# Altium PCB Cymometer.PcbDoc (part 2 of 2)
Units mil, origin at the board's own origin, x right, y up, seen from the top; angles counter-clockwise.
Board outline 6000 x 6000 mil, 2 copper layers (Top Layer, Bottom Layer); 96 components, 158 nets, 564 pads, 531 vias.
Unrouted connection lines stored in the file: 3.
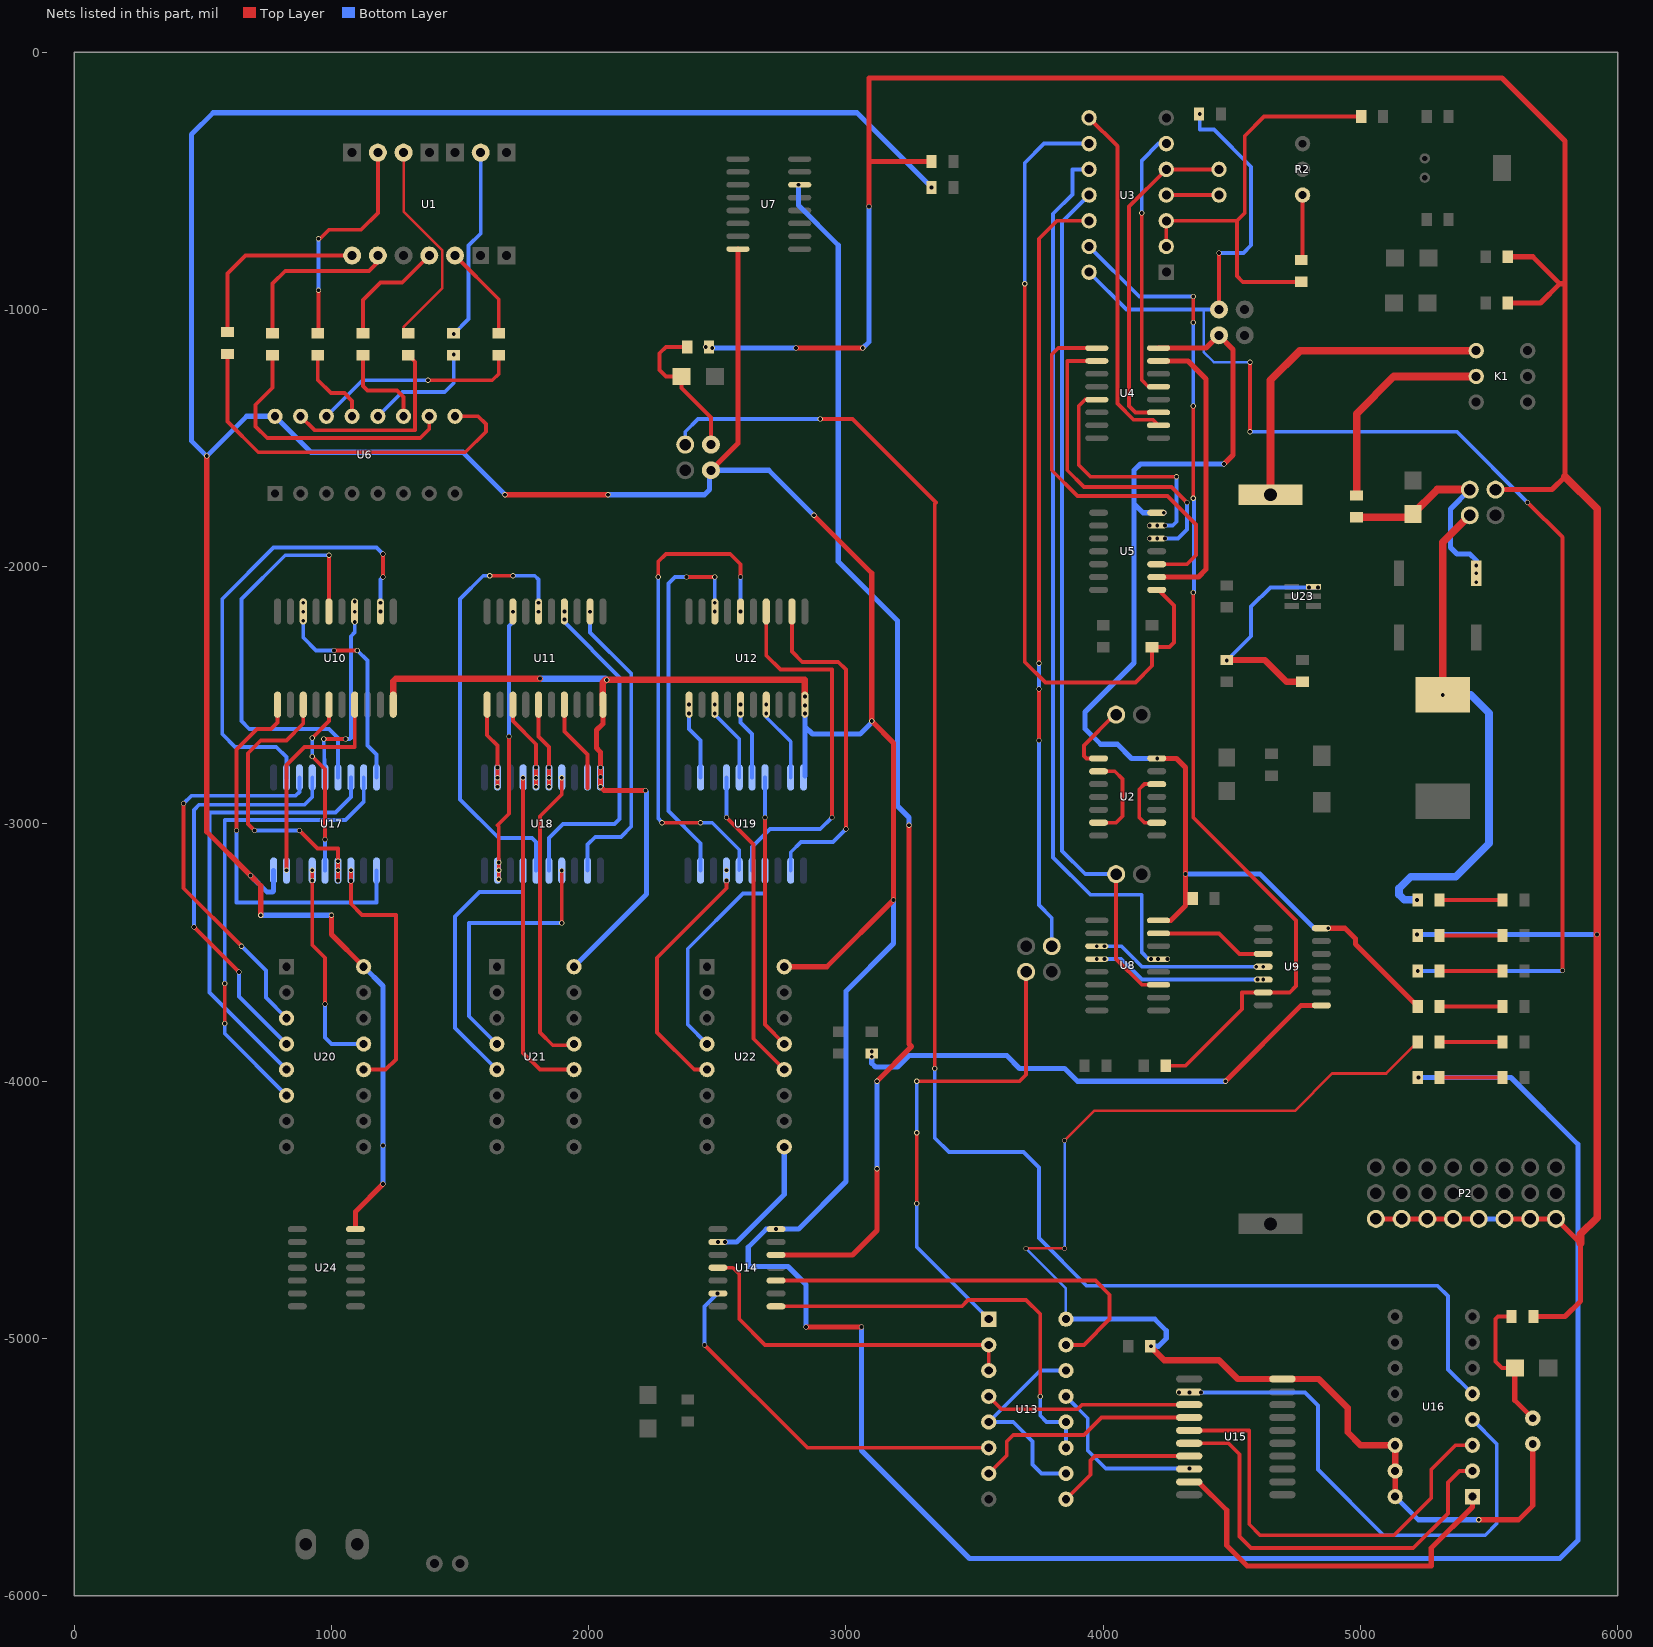
[diagram p2: the nets of this part, all layers, seen from the top]

## Via types
v1: diameter 20, hole 15, Top Layer to Bottom Layer, 529 vias
v2: diameter 137.8, hole 118.11, Top Layer to Bottom Layer, 2 vias

## Nets (pads, with @x,y where several pads share a name; then routed paths per layer and width w, separated by ;. In a path a pad name is that pad's centre, name@x,y a point inside that pad or via, vN(x,y) a via of type N, cw(c..) or ccw(c..) an arc to the next point about the centre after c; other vN are vias at no path point) (continued)
NetD6_K: D6.K P10.1 T5.2 | length 541
  Top Layer w15: T5.2@5587.5,-4915 5535,-4915 5525,-4925 5525,-5090 5550,-5115 D6.K@5600,-5115
  Top Layer w20: D6.K@5600,-5115 5600,-5240 P10.1@5670,-5310
NetD7_K: D7.K P11.1 T6.1 | length 590.8
  Top Layer w15: T6.1@2382.5,-1145 2300,-1145 2275,-1170 2275,-1235 2300,-1260 D7.K@2360,-1260 2360,-1305 2475,-1420 P11.1@2475,-1525
NetD9_A: 5VPOW.A R12.1 | length 245
  Top Layer w15: R12.1@5307.5,-3433 5VPOW.A@5552.5,-3433
NetD10_A: R13.1 VDD1.A | length 245
  Top Layer w15: R13.1@5307.5,-3571 VDD1.A@5552.5,-3571
NetD11_A: R15.1 VDD2.A | length 245
  Top Layer w15: R15.1@5307.5,-3709 VDD2.A@5552.5,-3709
NetD12_A: R19.1 VDD3.A | length 245
  Top Layer w15: R19.1@5307.5,-3847 VDD3.A@5552.5,-3847
NetD13_A: R20.1 VDD4.A | length 245
  Top Layer w15: R20.1@5307.5,-3985 VDD4.A@5552.5,-3985
NetD14_K: 3.3POW.A R21.1 | length 245
  Top Layer w15: R21.1@5307.5,-3295 3.3POW.A@5552.5,-3295
NetK1_1: K1.1 V1.1 | length 1292.6
  Top Layer w30: V1.1@4650,-1720 4650,-1275 4765,-1160 K1.1@5450,-1160
NetK1_2: K1.2 T1.1 | length 843.1
  Top Layer w30: T1.1@4985,-1723 4985,-1405 5130,-1260 K1.2@5450,-1260
NetL1_1: 3.7V.2 L1.1 R21.2 | length 1982.3
  Top Layer w30: v1(5320,-2498.31) 5320,-1905 3.7V.2@5425,-1800
  Bottom Layer w30: v1(5220,-3295) 5170,-3295 5150,-3275 5150,-3250 5195,-3205 5370,-3205 5500,-3075 5500,-2570 5428.31,-2498.31 v1(5320,-2498.31)
NetP1_1: P1.1 U3.5 U4.11 | length 1310.4
  Top Layer w15: U4.11@4215,-1400 4125,-1400 4100,-1375 4100,-600 U3.5@4245,-455 P1.1@4450,-455
NetP1_2: P1.2 U3.4 | length 205
  Top Layer w15: U3.4@4245,-555 P1.2@4450,-555
NetP3_1: P3.1 U2.1 | length 270.8
  Top Layer w15: U2.1@3982,-2745 3935,-2745 3925,-2735 3925,-2695 P3.1@4045,-2575
NetP4_1: 25HZ.1 U3.11 U8.11 | length 3377.2
  Top Layer w15: 25HZ.1@4050,-3195 4050,-3525 4150,-3625 U8.11@4215,-3625
  Bottom Layer w15: U3.11@3945,-555 3840,-660 3840,-3105 3930,-3195 25HZ.1@4050,-3195
NetP6_2: P6.2 U3.12 | length 3003.8
  Top Layer w15: v1(3750,-2675) v1(3750,-2475) ; v1(3750,-2375) 3750,-725 3820,-655 U3.12@3945,-655
  Bottom Layer w15: v1(3750,-2675) 3750,-3315 3800,-3365 3800,-3470 P6.2@3790,-3480 ; v1(3750,-2475) v1(3750,-2375)
NetP13_1: P13.1 U13.1 U13.5 U13.10 U13.14 | length 2694.7
  Top Layer w15: v1(3275,-4475) v1(3275,-4200) ; v1(3275,-4000) 3675,-4000 3700,-3975 P13.1@3700,-3575
  Bottom Layer w15: v1(3275,-4475) 3275,-4645 U13.1@3555,-4925 ; v1(3275,-4200) v1(3275,-4000) ; U13.10@3855,-5525 3760,-5525 3725,-5490 3725,-5400 3650,-5325 U13.5@3555,-5325 3755,-5125 U13.14@3855,-5125
NetP14_1: P14.1 U16.5 | length 6482.6
  Top Layer w15: v1(2900,-1425) 3025,-1425 3350,-1750 3345,-1755 v1(3345,-3950)
  Bottom Layer w15: P14.1@2375,-1525 2375,-1475 2425,-1425 v1(2900,-1425) ; v1(3345,-3950) 3345,-4220 3400,-4275 3690,-4275 3750,-4335 3750,-4610 3935,-4795 5300,-4795 5340,-4835 5340,-5120 U16.5@5435,-5215
NetR1_1: R1.1 R2.2 | length 254.6
  Top Layer w15: R1.1@4770,-807.5 4775,-802.5 R2.2@4775,-555
NetR1_2: R1.2 R4.2 U3.2 U3.3 | length 1675.3
  Top Layer w15: U3.2@4245,-755 U3.3@4245,-655 4520,-655 ; R1.2@4770,-892.5 4542.5,-892.5 4520,-870 4520,-655 ; R4.2@5002.5,-250 4625,-250 4550,-325 4550,-625 4520,-655
NetR3_2: R3.2 U3.9 U5.8 | length 3177.7
  Top Layer w15: v1(3695,-900) 3695,-2370 3775,-2450 4125,-2450 4190,-2385 R3.2@4190,-2312.5 4257.5,-2312.5 4275,-2295 4275,-2150 4215,-2090 U5.8@4208,-2090
  Bottom Layer w15: v1(3695,-900) 3695,-430 3770,-355 U3.9@3945,-355
NetR5_1: R5.1 U6.13 | length 323
  Top Layer w15: R5.1@946.67,-1177.5 946.67,-1273.33 998.33,-1325 1050,-1325 1080,-1355 U6.13@1080,-1415
NetR5_2: R5.2 U1.13 | length 875.3
  Top Layer w15: R5.2@946.67,-1092.5 950,-1089.17 v1(950,-925) ; v1(950,-725) 955,-725 990,-690 1115,-690 1180,-625 U1.13@1180,-390
  Bottom Layer w15: v1(950,-925) v1(950,-725)
NetR6_1: R6.1 U6.12 | length 458.8
  Bottom Layer w15: U6.12@1180,-1415 1275,-1320 1440,-1320 1475,-1285 v1(1475,-1175)
NetR6_2: R6.2 U1.9 | length 748.5
  Bottom Layer w15: v1(1475,-1095) 1533,-1037 1533,-751.49 1580,-704.49 U1.9@1580,-390
NetR7_1: R7.1 U6.11 | length 370.1
  Top Layer w15: R7.1@1122.5,-1177.5 1122.5,-1297.5 1140,-1315 1255,-1315 1280,-1340 U6.11@1280,-1415
NetR7_2: R7.2 U1.4 | length 459
  Top Layer w15: R7.2@1122.5,-1092.5 1122.5,-962.5 1190,-895 1275,-895 U1.4@1380,-790
NetR8_1: R8.1 U6.10 | length 1062.9
  Top Layer w15: R8.1@770.83,-1177.5 770.83,-1304.17 705,-1370 705,-1455 750,-1500 1345,-1500 1380,-1465 U6.10@1380,-1415
NetR8_2: R8.2 U1.2 | length 662.4
  Top Layer w15: R8.2@770.83,-1092.5 770.83,-899.17 820,-850 1145,-850 1180,-815 U1.2@1180,-790
NetR9_1: R9.1 U6.9 | length 1512.8
  Top Layer w15: R9.1@595,-1172.5 595,-1435 715,-1555 1520,-1555 1600,-1475 1600,-1445 1570,-1415 U6.9@1480,-1415
NetR9_2: R9.2 U1.1 | length 741.5
  Top Layer w15: R9.2@595,-1087.5 595,-860 665,-790 U1.1@1080,-790
NetR10_1: R10.1 U6.15 | length 768.6
  Top Layer w15: U6.15@880,-1415 934.03,-1469.03 1324.03,-1469.03 1324.03,-1203.19 R10.1@1298.33,-1177.5
NetR10_2: R10.2 U1.12 | length 834.4
  Top Layer w10: U1.12@1280,-390 1280,-619.29 1430,-769.29 1430,-917.5 1280,-1067.5 1280,-1074.17 R10.2@1298.33,-1092.5
NetR11_1: R11.1 U6.14 | length 810.8
  Top Layer w15: v1(1375,-1275) 1625,-1275 1650,-1250 R11.1@1650,-1177.5
  Bottom Layer w15: U6.14@980,-1415 1120,-1275 v1(1375,-1275)
NetR11_2: R11.2 U1.5 | length 372.9
  Top Layer w15: U1.5@1480,-790 1650,-960 R11.2@1650,-1092.5
NetR14_2: R14.2 U3.13 U9.6 | length 4007.7
  Top Layer w15: R14.2@4242.5,-3940 4320.28,-3940 4540,-3720.28 4540,-3655 U9.6@4622,-3655 4725,-3655 4750,-3630 4750,-3375 4350,-2975 v1(4350,-2100) ; v1(4350,-1733.61) v1(4350,-1375) ; v1(4350,-1050) v1(4350,-950)
  Bottom Layer w15: U3.13@3945,-755 4140,-950 v1(4350,-950) ; v1(4350,-2100) 4352.5,-2097.5 4352.5,-1736.11 v1(4350,-1733.61) ; v1(4350,-1375) v1(4350,-1050)
NetR16_2: R16.2 R17.1 U23.6 | length 875.6
  Top Layer w25: R16.2@4480,-2362.5 4627.5,-2362.5 4712.5,-2447.5 R17.1@4775,-2447.5
  Bottom Layer w15: v1(4480,-2365) 4575,-2270 4575,-2155 4650,-2080 v1@4840,-2080
  other v1: 4800,-2080 4835,-2080
NetR18_1: R18.1 U9.8 | length 1981.5
  Top Layer w20: v1(4475,-4000) 4770,-3705 U9.8@4848,-3705
  Bottom Layer w20: v1(3100,-3885) 3100,-3930 3115,-3945 3200,-3945 3245,-3900 3625,-3900 3675,-3950 3850,-3950 3900,-4000 v1(4475,-4000)
  other v1: 3100,-3905
NetU2_2: U2.2 U2.6 | length 353.8
  Top Layer w15: U2.6@3982,-2995 4050,-2995 4075,-2970 4075,-2825 4045,-2795 U2.2@3982,-2795
NetU2_9: U2.9 U2.12 | length 262.6
  Top Layer w15: U2.9@4208,-2995 4160,-2995 4140,-2975 4140,-2865 4160,-2845 U2.12@4208,-2845
NetU3_6: U3.6 U4.13 | length 1052.3
  Top Layer w15: v1(4150,-625) 4150,-1275 4175,-1300 U4.13@4215,-1300
  Bottom Layer w15: v1(4150,-625) 4150,-420 4215,-355 U3.6@4245,-355
NetU3_8: U3.8 U4.10 | length 1351
  Top Layer w15: U3.8@3945,-255 4055,-365 4055,-1365.36 4117.97,-1428.33 4193.33,-1428.33 U4.10@4215,-1450
NetU3_10: U3.10 U8.13 | length 3511.5
  Bottom Layer w15: U3.10@3945,-455 3880,-455 3880,-552.82 3805,-627.82 3805,-3130 3950,-3275 4150,-3275 4150,-3500 4175,-3525 v1(4250,-3525)
  other v1: 4185,-3525 4212.5,-3525
NetU4_1: U4.1 U5.10 | length 1568.8
  Top Layer w15: U4.1@3975,-1150 3825,-1150 3800,-1175 3800,-1625 3900,-1725 4250,-1725 4360,-1835 4360,-1955 4325,-1990 U5.10@4208,-1990
NetU4_2: U4.2 U5.12 | length 1321.3
  Top Layer w15: U4.2@3975,-1200 3860,-1200 3860,-1625 3925,-1690 4265,-1690 v1(4325,-1750)
  Bottom Layer w15: v1(4180,-1890) 4290,-1890 4325,-1855 v1(4325,-1750)
  other v1: 4210,-1890 4240,-1890
NetU4_5: U4.5 U5.13 | length 995.2
  Top Layer w15: U4.5@3975,-1350 3930,-1350 3905,-1375 3905,-1605 3950,-1650 v1(4285,-1650)
  Bottom Layer w15: v1(4180,-1840) 4270,-1840 4285,-1825 v1(4285,-1650)
  other v1: 4210,-1840 4240,-1840
NetU4_15: U4.15 U5.9 | length 1158.4
  Top Layer w20: U5.9@4208,-2040 4370,-2040 4400,-2010 4400,-1270 4330,-1200 U4.15@4215,-1200
NetU7_6: U7.6 U14.12 | length 4734.5
  Top Layer w20: U14.12@2728,-4675 3025,-4675 3120,-4580 v1(3120,-4340) ; v1(3120,-4000) 3255,-3865 3245,-3855 v1(3245,-3005)
  Bottom Layer w20: v1(2815,-515) 2815,-595 2970,-750 2970,-1980 3200,-2210 3200,-2930 3245,-2975 v1(3245,-3005) ; v1(3120,-4340) v1(3120,-4000)
NetU8_3: U8.3 U9.4 | length 680.1
  Bottom Layer w15: v1(3975,-3475) 4070,-3475 4150,-3555 v1(4622,-3555)
  other v1: 4595,-3555 4005,-3475
NetU8_4: U8.4 U9.5 | length 680.1
  Bottom Layer w15: v1(3975,-3525) 4070,-3525 4150,-3605 v1(4622,-3605)
  other v1: 4600,-3605 4005,-3525
NetU8_15: U8.15 U9.3 | length 440.1
  Top Layer w15: U8.15@4215,-3425 4450,-3425 4530,-3505 U9.3@4622,-3505
NetU10_2: U10.2 U17.2 | length 1837.4
  Top Layer w15: v1(1200,-2040) v1(1200,-1950)
  Bottom Layer w15: U17.2@825,-2818.9 825,-2740 785,-2700 625,-2700 575,-2650 575,-2125 775,-1925 1175,-1925 v1(1200,-1950) ; v1(1190,-2173.9) 1190,-2050 v1(1200,-2040)
  other v1: 1190,-2140
NetU10_4: U10.4 U17.5 | length 792.3
  Top Layer w15: v1(970,-2670) v1(1055,-2670)
  Bottom Layer w15: v1(970,-2670) U17.5@975,-2818.9 ; v1(1055,-2670) 1070,-2670 1075,-2665 1075,-2270 1090,-2255 v1(1090,-2135)
  other v1: 1090,-2215 1090,-2175
NetU10_6: U10.6 U17.6 | length 1660.1
  Top Layer w15: U10.6@990,-2173.9 v1(990,-1955)
  Bottom Layer w15: v1(990,-1955) 820,-1955 650,-2125 650,-2600 680,-2630 990,-2630 1025,-2665 U17.6@1025,-2818.9
NetU10_8: U10.8 U17.9 | length 900.7
  Top Layer w15: v1(1010,-2325) v1(1100,-2325)
  Bottom Layer w15: 890,-2130 890,-2275 940,-2325 v1(1010,-2325) ; v1(1100,-2325) 1140,-2365 1140,-2695 1175,-2730 U17.9@1175,-2818.9
  other v1: 890,-2210 890,-2175 890,-2140
NetU10_11: U10.11 U17.12 | length 1536.3
  Top Layer w15: v1(630,-3025) 630,-2710 710,-2630 765,-2630 790,-2605 U10.11@790,-2536.1
  Bottom Layer w15: v1(630,-3025) 630,-3305 1175,-3305 U17.12@1175,-3181.1
NetU10_13: U10.13 U17.15 | length 1125.9
  Top Layer w15: v1(700,-3025) 675,-3000 675,-2725 725,-2675 825,-2675 890,-2610 U10.13@890,-2536.1 ; v1(875,-3025) 945,-3095 1025,-3095 v1(1025,-3220)
  Bottom Layer w15: v1(700,-3025) v1(875,-3025)
  other v1: 1025,-3180 1025,-3145
NetU10_15: U10.15 U17.16 | length 692.6
  Top Layer w15: v1(925,-2737) 975,-2787 v1(975,-3060) ; v1(925,-2665) 990,-2600 U10.15@990,-2536.1
  Bottom Layer w15: v1(925,-2737) v1(925,-2665) ; U17.16@975,-3181.1 v1(975,-3060)
NetU10_17: U10.17 U17.19 | length 867.9
  Top Layer w15: v1(825,-3180) 825,-2770 895,-2700 1090,-2700 U10.17@1090,-2536.1
NetU11_2: U11.2 U18.2 | length 1201.4
  Bottom Layer w15: U18.2@1995,-3181.1 1995,-3080 2025,-3050 2125,-3050 2165,-3010 2165,-2415 2005,-2255 v1(2005,-2175)
NetU11_4: U11.4 U18.5 | length 1327.3
  Bottom Layer w15: U18.5@1845,-3181.1 1845,-3055 1900,-3000 2100,-3000 2120,-2980 2120,-2430 1905,-2215 v1(1905,-2173.9)
  other v1: 1905,-2205
NetU11_6: U11.6 U18.6 | length 1727.9
  Top Layer w15: v1(1615,-2035) v1(1705,-2035)
  Bottom Layer w15: v1(1615,-2035) 1590,-2035 1500,-2125 1500,-2905 1650,-3055 1780,-3055 1795,-3070 U18.6@1795,-3181.1 ; v1(1705,-2035) 1790,-2035 1805,-2050 v1(1805,-2175)
  other v1: 1805,-2140
NetU11_8: U11.8 U18.9 | length 1066.9
  Top Layer w15: v1(1650,-3215) 1650,-3010 1645,-3005 1690,-2960 v1(1690,-2660)
  Bottom Layer w15: v1(1690,-2660) 1690,-2230 1705,-2215 v1(1705,-2175)
  other v1: 1650,-3180 1650,-3150
NetU11_11: U11.11 U18.12 | length 335.5
  Top Layer w15: U11.11@1605,-2536.1 1605,-2655 1645,-2695 v1(1645,-2855)
  other v1: 1645,-2820 1645,-2780
NetU11_13: U11.13 U18.15 | length 356.2
  Top Layer w15: U11.13@1705,-2536.1 1705,-2600 1795,-2690 v1(1795,-2855)
  other v1: 1795,-2820 1795,-2780
NetU11_15: U11.15 U18.16 | length 335.5
  Top Layer w15: U11.15@1805,-2536.1 1805,-2660 1845,-2700 v1(1845,-2855)
  other v1: 1845,-2820 1845,-2780
NetU11_17: U11.17 U18.19 | length 361.2
  Top Layer w15: U11.17@1905,-2536.1 1905,-2640 1995,-2730 1995,-2860
NetU12_2: U12.2 U19.2 | length 1338.5
  Top Layer w15: U12.2@2790,-2173.9 2790,-2330 2830,-2370 2970,-2370 3000,-2400 v1(3000,-3020)
  Bottom Layer w15: U19.2@2785,-3181.1 2785,-3110 2825,-3070 2950,-3070 v1(3000,-3020)
NetU12_4: U12.4 U19.5 | length 1472.6
  Top Layer w15: U12.4@2690,-2173.9 2690,-2345 2745,-2400 2945,-2400 v1(2945,-2975)
  Bottom Layer w15: U19.5@2635,-3181.1 2635,-3090 2705,-3020 2900,-3020 v1(2945,-2975)
NetU12_6: U12.6 U19.6 | length 1976.8
  Top Layer w15: v1(2270,-2040) 2270,-1980 2300,-1950 2550,-1950 2590,-1990 v1(2590,-2040) ; v1(2285,-2995) v1(2435,-2995)
  Bottom Layer w15: v1(2270,-2040) 2270,-2977 v1(2285,-2995) ; v1(2435,-2995) 2480,-2995 2585,-3100 U19.6@2585,-3180 ; v1(2590,-2173.9) v1(2590,-2040)
NetU12_8: U12.8 U19.9 | length 1492.1
  Top Layer w15: v1(2380,-2040) v1(2490,-2040)
  Bottom Layer w15: v1(2380,-2040) 2335,-2040 2310,-2065 2310,-2950 2435,-3075 U19.9@2435,-3181.1 ; v1(2490,-2173.9) v1(2490,-2040)
  other v1: 2490,-2140
NetU12_11: U12.11 U19.12 | length 302.5
  Bottom Layer w15: v1(2390,-2535) 2390,-2630 2435,-2675 U19.12@2435,-2818.9
  other v1: 2390,-2570
NetU12_13: U12.13 U19.15 | length 322.1
  Bottom Layer w15: v1(2490,-2536.1) 2490,-2575 2585,-2670 U19.15@2585,-2818.9
  other v1: 2490,-2570
NetU12_15: U12.15 U19.16 | length 302.5
  Bottom Layer w15: v1(2590,-2535) 2590,-2605 2635,-2650 U19.16@2635,-2818.9
  other v1: 2590,-2570
NetU12_17: U12.17 U19.19 | length 323.2
  Bottom Layer w15: v1(2690,-2535) 2690,-2585 2785,-2680 U19.19@2785,-2818.9
  other v1: 2690,-2570
NetU13_2: U13.2 U13.3 U14.4 | length 1379.8
  Top Layer w15: U14.4@2502,-4725 2560,-4725 2585,-4750 2585,-4925 2685,-5025 U13.2@3555,-5025 U13.3@3555,-5125
NetU13_4: U13.4 U15.3 | length 807.3
  Top Layer w15: U13.4@3555,-5225 3605,-5275 3900,-5275 3917.56,-5257.44 U15.3@4334.31,-5257.44
NetU13_6: U13.6 U14.6 | length 1491.4
  Top Layer w15: v1(2450,-5025) 2850,-5425 U13.6@3555,-5425
  Bottom Layer w15: v1(2450,-5025) 2450,-4875 v1(2500,-4825)
NetU13_7: U13.7 U15.4 | length 901.6
  Top Layer w15: U13.7@3555,-5525 3625,-5455 3625,-5400 3650,-5375 3925,-5375 3992.56,-5307.44 U15.4@4334.31,-5307.44
NetU13_9: U13.9 U15.7 | length 580.9
  Top Layer w15: U13.9@3855,-5625 3950,-5530 3950,-5475 3967.56,-5457.44 U15.7@4334.31,-5457.44
NetU13_11: U13.11 U13.12 U14.8 | length 1665.5
  Top Layer w15: U14.8@2728,-4875 3450,-4875 3475,-4850 3700,-4850 3755,-4905 v1(3755,-5225)
  Bottom Layer w15: v1(3755,-5225) 3755,-5300 3780,-5325 U13.12@3855,-5325 U13.11@3855,-5425
NetU13_13: U13.13 U15.8 | length 669.2
  Bottom Layer w15: U13.13@3855,-5225 3940,-5310 3940,-5435 4010,-5505 v1(4335,-5505)
NetU13_15: U13.15 U14.10 | length 1626.2
  Top Layer w15: U14.10@2728,-4775 3970,-4775 4025,-4830 4025,-4925 3925,-5025 U13.15@3855,-5025
NetU14_2: U14.2 U22.9 | length 519.6
  Bottom Layer w20: v1(2502,-4625) 2575,-4625 2760,-4440 U22.9@2760,-4255
  other v1: 2530,-4625
NetU15_2: U15.2 U16.4 | length 2074.3
  Bottom Layer w15: v1(4295,-5210) 4785,-5210 4835,-5260 4835,-5510 5090,-5765 5485,-5765 5530,-5720 5530,-5410 U16.4@5435,-5315
  other v1: 4335,-5210 4380,-5210
NetU15_5: U15.5 U16.3 | length 1692.7
  Top Layer w15: U15.5@4334.31,-5357.44 4567.44,-5357.44 4567.44,-5722.44 4610,-5765 5130,-5765 5275,-5620 5275,-5510 5370,-5415 U16.3@5435,-5415
NetU15_6: U15.6 U16.2 | length 1651.5
  Top Layer w15: U15.6@4334.31,-5407.44 4487.44,-5407.44 4530,-5450 4530,-5770 4575,-5815 5205,-5815 5340,-5680 5340,-5560 5385,-5515 U16.2@5435,-5515
NetU15_9: U15.9 U16.1 | length 1492.9
  Top Layer w20: U15.9@4334.31,-5557.44 4369.48,-5557.44 4480,-5667.96 4480,-5805 4560,-5885 5275,-5885 5275,-5815 5435,-5655 U16.1@5435,-5615
NetU17_3: U17.3 U20.3 | length 1525.4
  Top Layer w15: v1(425,-2920) 425,-3250 v1(650,-3475)
  Bottom Layer w15: v1(425,-2920) 455,-2890 860,-2890 875,-2875 U17.3@875,-2818.9 ; v1(650,-3475) 745,-3570 745,-3675 U20.3@825,-3755
NetU17_4: U17.4 U20.4 | length 1615.9
  Top Layer w15: v1(465,-3400) v1(640,-3575)
  Bottom Layer w15: v1(465,-3400) 465,-2945 485,-2925 895,-2925 925,-2895 U17.4@925,-2818.9 ; v1(640,-3575) 640,-3670 U20.4@825,-3855
NetU17_7: U17.7 U20.5 | length 1775.2
  Bottom Layer w15: U20.5@825,-3955 525,-3655 525,-2955 1015,-2955 1075,-2895 U17.7@1075,-2818.9
NetU17_8: U17.8 U20.6 | length 1834.5
  Top Layer w15: v1(585,-3775) v1(585,-3620)
  Bottom Layer w15: v1(585,-3775) 585,-3815 U20.6@825,-4055 ; v1(585,-3620) 585,-2985 1055,-2985 1125,-2915 U17.8@1125,-2818.9
NetU17_14: U17.14 U20.12 | length 1024.9
  Top Layer w15: v1(1075,-3221.1) 1075,-3310 1118.65,-3353.65 1250,-3353.65 1250,-3915 1210,-3955 U20.12@1125,-3955 ; v1(1075,-3220) v1(1075,-3180)
NetU17_17: U17.17 U20.13 | length 831.1
  Top Layer w15: v1(925,-3180) 925,-3470 975,-3520 v1(975,-3700)
  Bottom Layer w15: v1(975,-3700) 975,-3830 1000,-3855 U20.13@1125,-3855
  other v1: 925,-3220
NetU18_4: U18.4 U21.4 | length 1078.4
  Top Layer w15: v1(1895,-3385) v1(1895,-3181.1)
  Bottom Layer w15: U21.4@1642.5,-3855 1535,-3747.5 1535,-3385 v1(1895,-3385)
NetU18_7: U18.7 U21.5 | length 1050.6
  Bottom Layer w15: U21.5@1642.5,-3955 1480,-3792.5 1480,-3360 1575,-3265 1745,-3265 U18.7@1745,-3181.1
NetU18_14: U18.14 U21.12 | length 1294.4
  Top Layer w15: v1(1745,-2820) 1745,-3890 1810,-3955 U21.12@1942.5,-3955
NetU18_17: U18.17 U21.13 | length 1180.5
  Top Layer w15: v1(1895,-2820) 1895,-2885 1810,-2970 1810,-3810 1860,-3860 1937.5,-3860 U21.13@1942.5,-3855
NetU19_4: U19.4 U22.4 | length 879
  Bottom Layer w15: U22.4@2460,-3855 2385,-3780 2385,-3485 2600,-3270 2685,-3270 U19.4@2685,-3181.1
NetU19_7: U19.7 U22.5 | length 956.9
  Top Layer w15: U22.5@2460,-3955 2410,-3955 2265,-3810 2265,-3520 2535,-3250 v1(2535,-3220)
  other v1: 2535,-3180
NetU19_14: U19.14 U22.12 | length 1229.3
  Top Layer w15: v1(2535,-2975) 2640,-3080 2640,-3835 U22.12@2760,-3955
  Bottom Layer w15: v1(2535,-2975) U19.14@2535,-2818.9
NetU19_17: U19.17 U22.13 | length 1067.2
  Top Layer w15: v1(2685,-2975) 2685,-3780 U22.13@2760,-3855
  Bottom Layer w15: v1(2685,-2975) U19.17@2685,-2818.9
VCC: 3.7V.1 C7.A D2.K T1.2 | length 946.5
  Top Layer w30: T1.2@4985,-1808 5190.33,-1808 D2.K@5204.33,-1794 5298.33,-1700 3.7V.1@5425,-1700
  Bottom Layer w20: 3.7V.1@5425,-1700 5350,-1775 5350,-1925 5375,-1950 5425,-1950 5450,-1975 v1(5450,-2060)
  other v1: 5450,-2025 5450,-1995
VDD: 5V.2 C13.2 P2.17 P2.18 P2.19 P2.20 P2.21 P2.22 P2.23 P2.24 R12.2 T3.1 T4.2 T5.1 T6.2 | length 11842.1
  Top Layer w20: v1(2805,-1150) v1(3065,-1150) ; v1(3090,-600) 3090,-425 ; C13.2@3332.5,-425 3090,-425 ; P2.24@5060,-4535 P2.23@5160,-4535 P2.22@5260,-4535 P2.21@5360,-4535 P2.20@5460,-4535 ; 5V.2@5525,-1700 5745,-1700 5795,-1650 5795,-900 ; P2.19@5560,-4535 P2.18@5660,-4535 P2.17@5760,-4535 5855,-4630 5855,-4855 5795,-4915 T5.1@5672.5,-4915 ; T4.2@5572.5,-975 5700,-975 5775,-900 ; T3.1@5572.5,-795 5670,-795 5775,-900 ; 3090,-425 3090,-100 5550,-100 5795,-345 5795,-900 ; 5775,-900 5795,-900
  Top Layer w30: 5795,-1650 5920,-1775 5920,-4530 5855,-4595 5855,-4630
  Bottom Layer w20: v1(2455,-1145) 2460,-1150 v1(2805,-1150) ; v1(3065,-1150) 3090,-1125 v1(3090,-600) ; v1(5220,-3430) v1(5920,-3430) ; P2.20@5460,-4535 P2.19@5560,-4535
  other v1: 2480,-1150
VDD1: C11.2 P8.2 R13.2 U3.14 | length 5826.9
  Top Layer w15: P8.2@4450,-1000 v1(4450,-780) ; v1(4570,-1475) v1(4570,-1205) ; v1(5650,-1750) 5785,-1885 v1(5785,-3570)
  Bottom Layer w10: 4390,-1000 4390,-1165 4430,-1205 v1(4570,-1205)
  Bottom Layer w15: U3.14@3945,-855 4090,-1000 4390,-1000 P8.2@4450,-1000 ; 4375,-225 4375,-300 4430,-300 4575,-445 4575,-750 4545,-780 v1(4450,-780) ; v1(4570,-1475) 5375,-1475 v1(5650,-1750) ; v1(5222.5,-3571) 5784,-3571 v1(5785,-3570)
  other v1: 4375,-240
VDD2: C12.2 P9.2 R15.2 U2.14 U4.16 U5.14 U8.16 U9.14 | length 4633.3
  Top Layer w20: v1(4210,-2745) 4285,-2745 4320,-2780 4320,-3317.5 4262.5,-3375 U8.16@4215,-3375 ; U4.16@4215,-1150 4400,-1150 P9.2@4450,-1100 4505,-1155 4505,-1565 v1@4475,-1595 ; U9.14@4848,-3405 v1(4875,-3405) 4940,-3405 4980,-3445 4980,-3466.5 R15.2@5222.5,-3709
  Bottom Layer w20: v1(4210,-2745) 4110,-2745 4055,-2690 3990,-2690 3929.5,-2629.5 3929.5,-2565 4120,-2374.5 4120,-1755 ; v1(4235,-1790) 4155,-1790 4120,-1755 ; v1(4320,-3195) 4610,-3195 4820,-3405 v1(4875,-3405) ; v1(4470,-1600) 4145,-1600 4120,-1625 4120,-1755
VDD3: C14.2 P10.2 R19.2 U13.16 U15.20 U16.14 U16.15 U16.16 | length 5154.1
  Top Layer w10: v1(3700,-4650) v1(3850,-4650) ; v1(3850,-4230) 3965,-4115 4745,-4115 4890,-3970 5099.5,-3970 R19.2@5222.5,-3847
  Top Layer w20: U16.16@5135,-5615 U16.15@5135,-5515 ; v1(5460,-5705) 5615,-5705 5670,-5650 P10.2@5670,-5410
  Top Layer w25: C14.2@4182.5,-5030 4237.5,-5085 4450,-5085 4522.44,-5157.44 U15.20@4696.51,-5157.44 4837.44,-5157.44 4950,-5270 4950,-5365 5000,-5415 U16.14@5135,-5415 U16.15@5135,-5515
  Bottom Layer w10: v1(3700,-4650) 3855,-4805 U13.16@3855,-4925 ; v1(3850,-4650) v1(3850,-4230)
  Bottom Layer w20: U13.16@3855,-4925 4200,-4925 4245,-4970 4245,-5000 4215,-5030 v1(4185,-5030) ; U16.16@5135,-5615 5225,-5705 v1(5460,-5705)
VDD4: C15.2 P11.2 R20.2 U6.16 U7.16 U10.20 U11.20 U12.20 U14.14 U17.20 U18.20 U19.20 U20.16 U21.16 U22.16 U24.14 | length 25689
  Top Layer w20: v1(515,-1570) 515,-3030 v1(685,-3200) 725,-3240 v1(725,-3355) ; v1(1000,-3355) 1000,-3430 U20.16@1125,-3555 ; U24.14@1093,-4575 1093,-4507 v1(1200,-4400) ; v1(1675,-1720) v1(2075,-1720) ; U11.20@2055,-2536.1 2055,-2610 2030,-2635 2030,-2705 2045,-2720 v1(2045,-2780) v1(2045,-2817.5) v1(2045,-2855) 2060,-2870 v1(2220,-2870) ; P11.2@2475,-1625 2580,-1520 U7.16@2580,-765 ; U22.16@2760,-3555 2925,-3555 v1(3185,-3295) 3185,-2685 v1(3100,-2600) 3100,-2025 v1(2875,-1800) ; v1(2845,-4955) v1(3060,-4955)
  Top Layer w25: U10.20@1240,-2536.1 1240,-2445 1250,-2435 v1(1810,-2435) ; U11.20@2055,-2536.1 2055,-2450 2065,-2440 v1(2070,-2440) 2840,-2440 U12.20@2840,-2536.1
  Bottom Layer w20: v1(685,-3200) 750,-3265 770,-3265 775,-3260 U17.20@775,-3181.1 ; v1(725,-3355) v1(1000,-3355) ; U20.16@1125,-3555 1200,-3630 v1(1200,-4250) v1(1200,-4400) ; v1(1675,-1720) 1510,-1555 920,-1555 U6.16@780,-1415 670,-1415 v1(515,-1570) 455,-1510 455,-320 540,-235 3042.5,-235 v1(3332.5,-525) ; U21.16@1942.5,-3555 2225,-3272.5 2225,-2875 v1(2220,-2870) ; v1(2075,-1720) 2450,-1720 2470,-1700 2470,-1630 P11.2@2475,-1625 2700,-1625 v1(2875,-1800) ; U19.20@2840,-2813.9 2840,-2620 ; v1(2840,-2505) v1(2840,-2540) v1(2840,-2570) 2840,-2620 ; v1(2845,-4955) 2845,-4790 2775,-4720 2620,-4720 2620,-4645 2690,-4575 v1(2728,-4575) 2815,-4575 3000,-4390 3000,-3650 3185,-3465 v1(3185,-3295) ; v1(3060,-4955) 3060,-5435 3480,-5855 5775,-5855 5845,-5785 5845,-4245 5585,-3985 v1(5225,-3985) ; v1(3100,-2600) 3100,-2605 3055,-2650 2870,-2650 2840,-2620
  Bottom Layer w25: v1(1810,-2435) 2065,-2435 v1(2070,-2440)
pads on no net: K1.3 K1.4 K1.5 K1.6 R2.1 T7.2 U1.3 U2.8 U2.11 U4.3 U4.4 U4.6 U4.7 U4.9 U5.1 U5.2 U5.3 U5.4 U5.5 U5.6 U5.11 U7.7 U7.9 U8.1 U8.2 U8.5 U8.6 U8.7 U8.9 U9.1 U9.2 U9.12 U9.13 U15.12 U15.13 U15.14 U15.15 U15.16 U15.17 U15.18 U15.19 U16.6 U23.2
copper on no net: | length 2093.3
  Top Layer w20: 900,-5800 900,-5750 1050,-5600 1275,-5600 1401,-5726 ; 1400,-5875 1401,-5874 1401,-5726 ; 2385,-5322.5 2385,-5540 2225,-5700 1427,-5700 1401,-5726
  other v2: 125,-125 5875,-125

## Polygon pours and split planes (outlines as drawn)
GND on Bottom Layer "Top Layer-No Net" (solid, remove dead copper, pour order 41): 4470,-4655.02 cw(c4470,-4630) 4449.99,-4614.99 4449.99,-4535 cw(c4475,-4535) 4475,-4509.99 4820,-4509.99 cw(c4820,-4535) 4840.01,-4519.99 cw(c4825,-4540) 4850.01,-4540 4850.01,-4620 cw(c4825,-4620) 4842.69,-4637.69 4832.69,-4647.69 cw(c4815,-4630) 4815,-4655.02
GND on Bottom Layer "Top Layer-No Net" (solid, remove dead copper, pour order 39): 390,-5910 410,-5930 3085,-5930 3110,-5905 3110,-4980 3410,-4680 3410,-295 3545,-160 390,-160
GND on Bottom Layer "Top Layer-No Net" (solid, remove dead copper, pour order 33): 3325,-5850 5815,-5850 5815,-4620 3325,-4620
GND on Bottom Layer "Top Layer-No Net" (solid, remove dead copper, pour order 16): 3655,-3850 3655,-1150 3730,-1075 4360,-1075 4265,-1170 4265,-3160 4340,-3235 4845,-3235 4920,-3310 4920,-3860 4765,-4015 3820,-4015
GND on Bottom Layer "Top Layer-No Net" (solid, remove dead copper, pour order 10): 3775,-1050 3725,-1000 3725,-50 5650,-50 5850,-250 5925,-325 5925,-1050
GND on Bottom Layer "Top Layer-No Net" (solid, remove dead copper, pour order 8): 4817.49,-1925 ccw(c4825,-1925) 4825,-1932.51 5295,-1932.51 ccw(c5295,-1925) 5297.5,-1932.09 ccw(c5300,-1925) 5307.51,-1925 5307.51,-1550 ccw(c5300,-1550) 5300,-1542.49 4825,-1542.49 ccw(c4825,-1550) 4817.49,-1550
GND on Bottom Layer "Top Layer-No Net" (solid, remove dead copper, pour order 4): 4325,-3125 4325,-1925 6000,-1925 6000,-3125
GND on Top Layer "Top Layer-No Net" (solid, remove dead copper, pour order 37): 390,-5910 410,-5930 3085,-5930 3110,-5905 3110,-4980 3410,-4680 3410,-295 3545,-160 390,-160
GND on Top Layer "Top Layer-No Net" (solid, remove dead copper, pour order 31): 3325,-5850 5815,-5850 5815,-4620 3325,-4620
GND on Top Layer "Top Layer-No Net" (solid, remove dead copper, pour order 18): 3655,-3850 3655,-1150 3730,-1075 4360,-1075 4265,-1170 4265,-3160 4340,-3235 4845,-3235 4920,-3310 4920,-3860 4765,-4015 3820,-4015
GND on Top Layer "Top Layer-No Net" (solid, remove dead copper, pour order 12): 3775,-1050 3725,-1000 3725,-50 5650,-50 5850,-250 5925,-325 5925,-1050
GND on Top Layer "Top Layer-No Net" (solid, remove dead copper, pour order 6): 4325,-3125 4325,-1925 6000,-1925 6000,-3125

## Silkscreen, mask and mechanical layers (free items; w line width, h text height)
Top Overlay:
  lines w10: 5475,-1650 5475,-1630 ; 5475,-1875 5375,-1875 5375,-1630 5475,-1630 ; 5475,-1875 5475,-1630 ; 5475,-1875 5575,-1875 ; 5475,-1630 5575.02,-1630 5575.02,-1874.98 ; 5575,-1875 5575.02,-1874.98
  lines w15: 800,-5995 800,-5700 1200,-5700 1200,-6000
  text "590EN2" at 5640,-4145 h50 r270
  text "590EN1" at 5740,-4150 h50 r270
  text "GND" at 5850,-4300 h50 r270
  text "VDD" at 5850,-4500 h50 r270
Mechanical 1:
  lines w15: 5295,-1925 4825,-1925 4825,-1550 5300,-1550 5300,-1925 ; 390,-5910 390,-160 3545,-160 3410,-295 3410,-4680 3110,-4980 3110,-5905 3085,-5930 410,-5930 390,-5910 ; 3655,-3850 3655,-1150 3730,-1075 4360,-1075 4265,-1170 4265,-3160 4340,-3235 4845,-3235 4920,-3310 4920,-3860 4765,-4015 3820,-4015 3655,-3850 ; 3725,-1000 3775,-1050 5875,-1050 5925,-1050 5925,-325 5850,-250 5650,-50 3725,-50 3725,-1000

## Text inside footprints (layer, text, board x,y; h text height)
C1: Top Overlay "C" at 3985,-2260 h50 r270
C2: Top Overlay "C" at 5290,-270 h50
C3: Top Overlay "C" at 5290,-670 h50
C5: Top Overlay "C" at 3980,-3925 h50 r180
C8: Top Overlay "C" at 4495,-2125 h50 r90
C10: Top Overlay "C" at 2990,-3855 h50 r90
C11: Top Overlay "C" at 4405,-255 h50
C12: Top Overlay "C" at 4380,-3305 h50
C13: Top Overlay "C" at 3365,-445 h50
C14: Top Overlay "C" at 4130,-5045 h50
C15: Top Overlay "C" at 3365,-545 h50
R1: Top Overlay "R" at 4754,-842.5 h30 r270
R3: Top Overlay "R" at 4174,-2262.5 h30 r270
R4: Top Overlay "R" at 5030,-265 h30
R5: Top Overlay "R" at 962.67,-1142.5 h30 r90
R6: Top Overlay "R" at 1490.17,-1142.5 h30 r90
R7: Top Overlay "R" at 1138.5,-1142.5 h30 r90
R8: Top Overlay "R" at 786.83,-1142.5 h30 r90
R9: Top Overlay "R" at 611,-1137.5 h30 r90
R10: Top Overlay "R" at 1314.33,-1142.5 h30 r90
R11: Top Overlay "R" at 1666,-1142.5 h30 r90
R12: Top Overlay "R" at 5255,-3445 h30
R13: Top Overlay "R" at 5255,-3585 h30
R14: Top Overlay "R" at 4192.5,-3956 h30
R15: Top Overlay "R" at 5255,-3725 h30
R16: Top Overlay "R" at 4496,-2412.5 h30 r90
R17: Top Overlay "R" at 4791,-2412.5 h30 r90
R18: Top Overlay "R" at 3116,-3857.5 h30 r90
R19: Top Overlay "R" at 5255,-3865 h30
R20: Top Overlay "R" at 5255,-4000 h30
R21: Top Overlay "R" at 5255,-3310 h30
T1: Top Overlay "T" at 4969,-1758 h30 r270
T2: Top Overlay "T" at 4638.43,-2762.18 h30 r270
T3: Top Overlay "T" at 5520,-810 h30
T4: Top Overlay "T" at 5522.5,-991 h30
T5: Top Overlay "T" at 5637.5,-4899 h30 r180
T6: Top Overlay "T" at 2417.5,-1161 h30
T7: Top Overlay "T" at 2369,-5272.5 h30 r270
U1: Top Overlay "六位共阴数码管" at 1105,-615 h80
Y1: Top Overlay "32K" at 5535,-395 h80 r270